# Altium PCB UmTRXv2.PcbDoc (part 22 of 25)
Units mm, origin at the board's own origin, x right, y up, seen from the top; angles counter-clockwise.
Board outline 159.5 x 99.5 mm, 6 copper layers (Top Layer, GND, MidLayer1, Mid-Layer 2, InternalPlane2, Bottom Layer), stack 1.526 mm thick; 708 components, 578 nets, 2802 pads, 1408 vias.
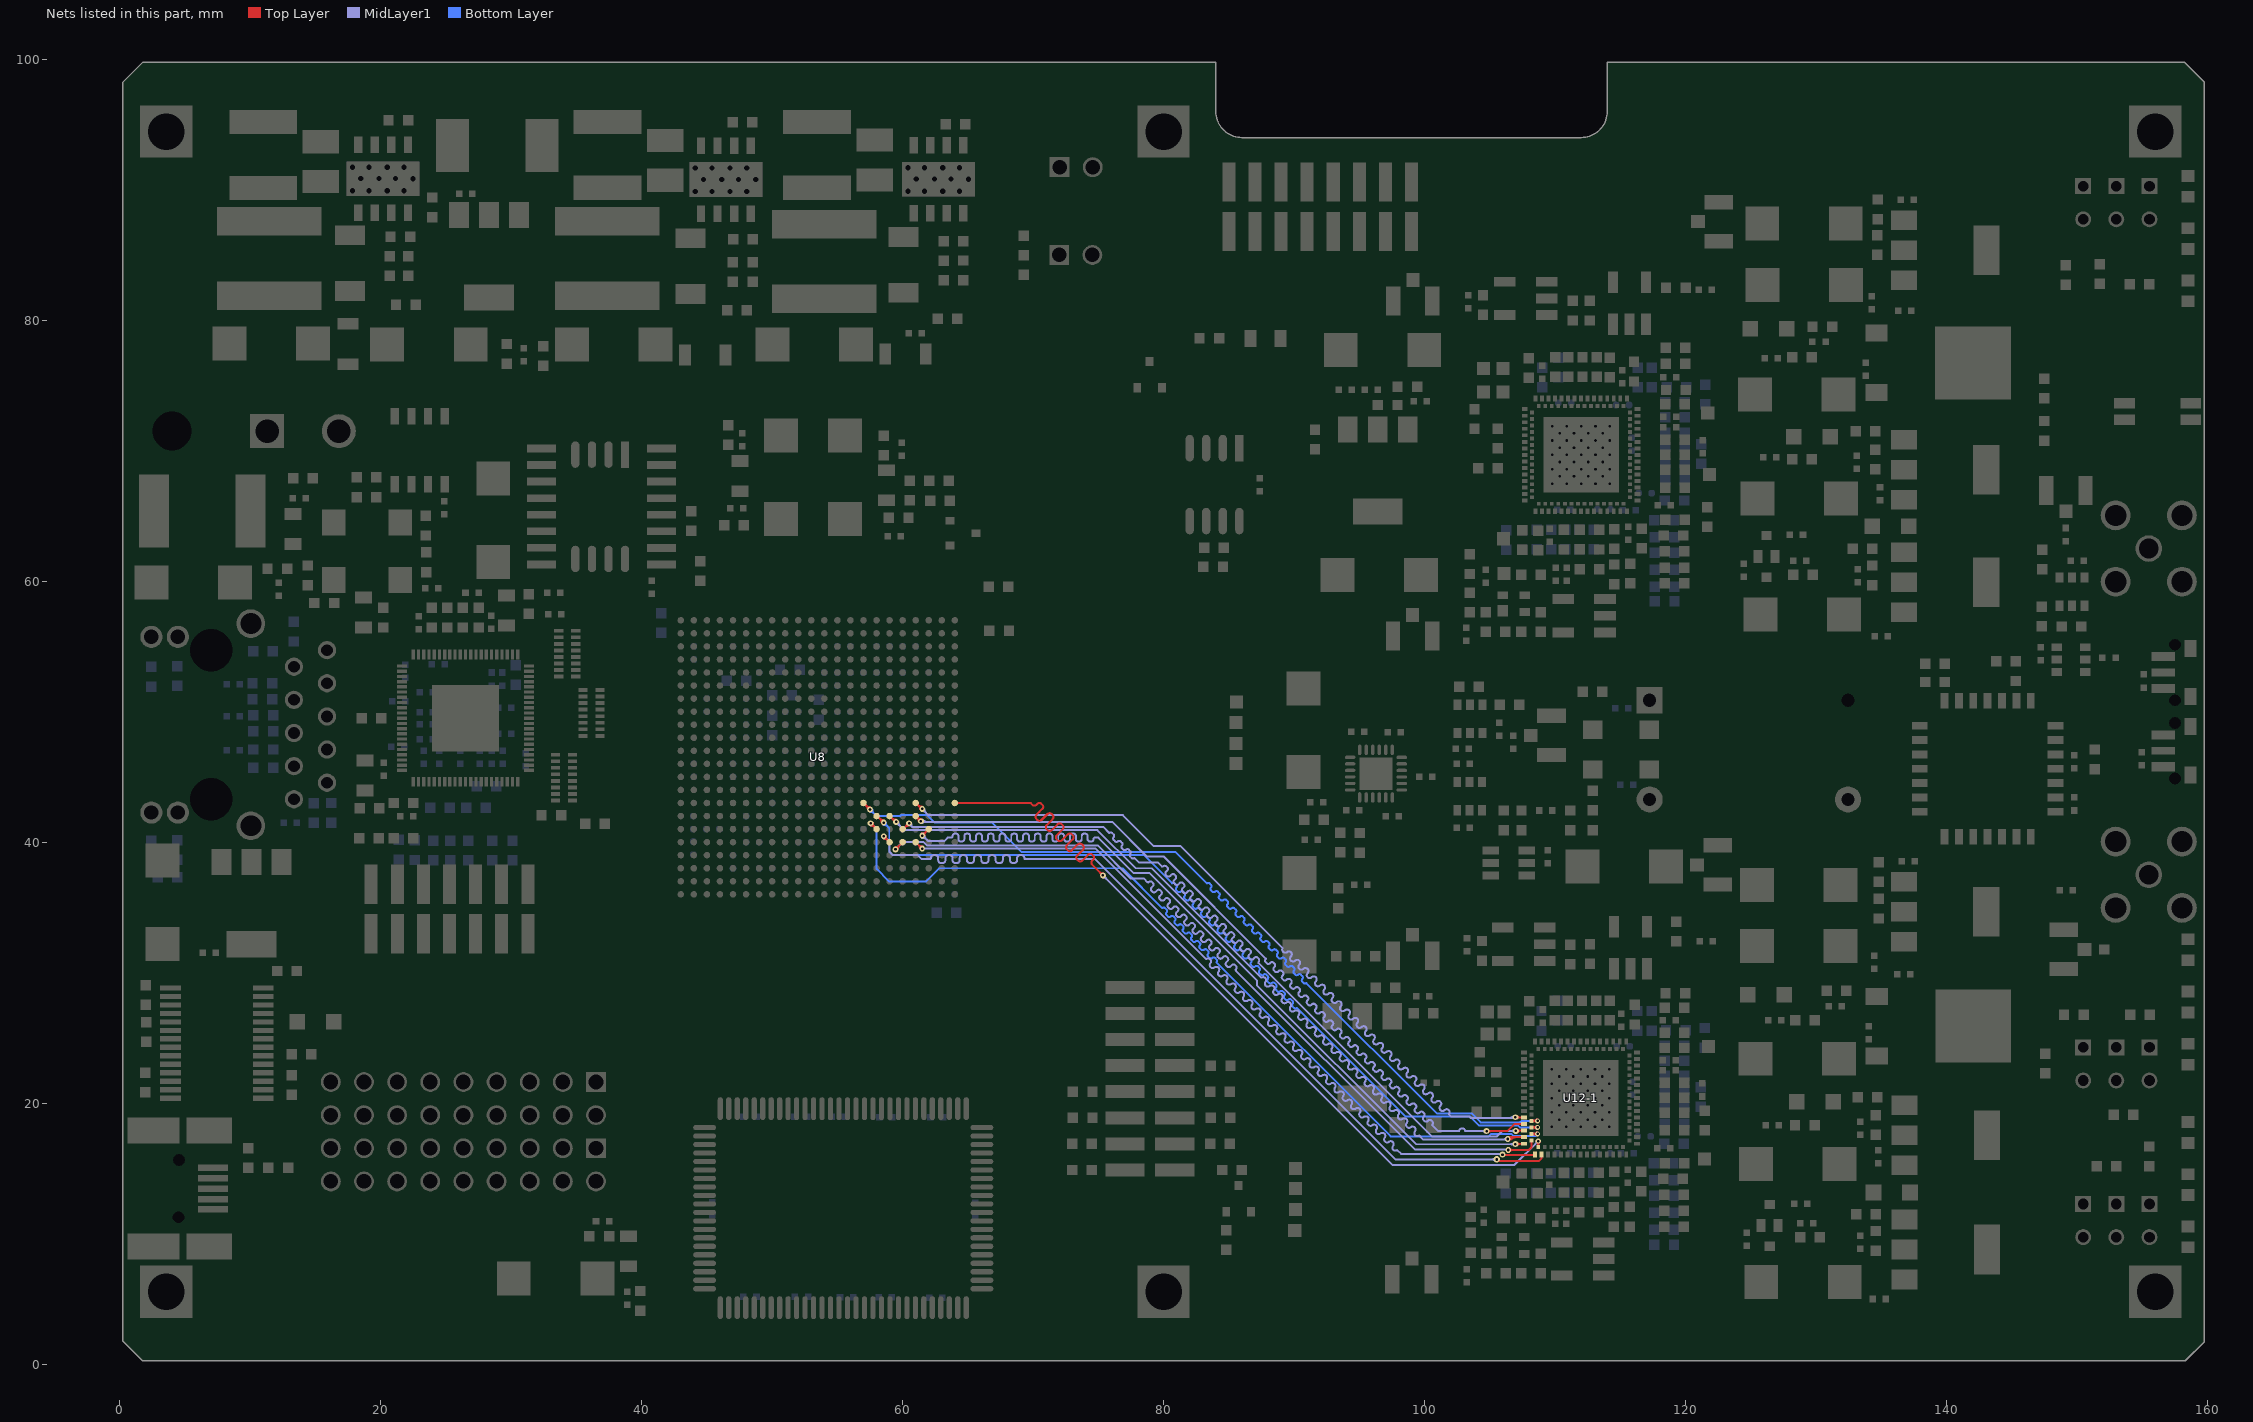
[diagram p26: the nets of this part, all layers, seen from the top]

## Via types
v1: diameter 0.5, hole 0.2, Top Layer to Bottom Layer, tented both sides, 441 vias
v2: diameter 0.45, hole 0.2, Top Layer to Bottom Layer, tented both sides, 429 vias
v3: diameter 0.7, hole 0.3, Top Layer to Bottom Layer, tented both sides, 258 vias
v4: diameter 0.4, hole 0.2, Top Layer to Bottom Layer, tented both sides, 197 vias
v5: diameter 0.8, hole 0.3, Top Layer to Bottom Layer, tented both sides, 61 vias
v6: diameter 0.6, hole 0.25, Top Layer to Bottom Layer, tented both sides, 16 vias
v7: diameter 0.6, hole 0.3, Top Layer to Bottom Layer, tented both sides, 4 vias
v8: diameter 1, hole 0.5, Top Layer to Bottom Layer, tented both sides, 2 vias

## Nets (pads, with @x,y where several pads share a name; then routed paths per layer and width w, separated by ;. In a path a pad name is that pad's centre, name@x,y a point inside that pad or via, vN(x,y) a via of type N, cw(c..) or ccw(c..) an arc to the next point about the centre after c; other vN are vias at no path point) (continued)
TX1D0: U8.H4 U12-1.21 | length 76
  Top Layer w0.15: U8.H4@61,43 U8.H4@61.05,43 ; 61.237,42.763 cw(c61.023,42.55) v2@61.325,42.55 ; 61.281,42.759 cw(c61.2,42.454) v2(61.5,42.55) ; v2@61.487,42.725 cw(c61.456,43.156) 61.15,42.85 v2@61.5,42.5 ; v2(106.961,18.92) 106.961,18.908 106.961,18.858 106.991,18.888 U12-1.21@107.632,18.888 ; v2(61.5,42.55) cw(c61.547,42.834) 61.269,42.759 ccw(c61.547,42.834) v2(61.5,42.55) ; v2@107.067,18.814 cw(c107.246,18.636) 107.246,18.888 ; v2@107.067,18.814 cw(c107.246,18.636) 107.246,18.888 ; v2@107.067,18.814 cw(c107.246,18.636) 107.246,18.888 ; v2@107.067,19.026 ccw(c107.401,19.36) 107.401,18.888 ; v2@107.067,19.026 ccw(c107.401,19.36) 107.401,18.888 ; v2@107.067,19.026 ccw(c107.401,19.36) 107.401,18.888 ; U8.H4@61.159,42.841 ccw(c61.5,43.183) 61.5,42.7 cw(c61.5,43.183) U8.H4@61.159,42.841 ; 61.279,42.721 cw(c61.109,42.55) 61.35,42.55 ccw(c61.109,42.55) 61.279,42.721
  MidLayer1 w0.15: v2@61.4,42.65 v2(61.5,42.55) ; v2@61.5,42.375 cw(c61.5,41.953) 61.799,42.251 cw(c62.097,42.55) v2@61.675,42.55 ; v2(106.961,18.92) 106.961,18.858 103.527,18.858 103.427,18.958 102.042,18.958 101.85,19.15 ccw(c101.691,19.309) 101.532,19.468 cw(c101.373,19.627) 101.214,19.786 ccw(c101.055,19.945) 100.895,20.105 cw(c100.736,20.264) 100.577,20.423 ccw(c100.418,20.582) 100.259,20.741 cw(c100.1,20.9) 99.941,21.059 ccw(c99.782,21.218) 99.623,21.377 cw(c99.464,21.536) 99.304,21.696 ccw(c99.145,21.855) 98.986,22.014 cw(c98.827,22.173) 98.668,22.332 ccw(c98.509,22.491) 98.35,22.65 cw(c98.191,22.809) 98.032,22.968 ccw(c97.873,23.127) 97.713,23.287 cw(c97.554,23.446) 97.395,23.605 ccw(c97.236,23.764) 97.077,23.923 cw(c96.918,24.082) 96.759,24.241 ccw(c96.6,24.4) 96.441,24.559 cw(c96.282,24.718) 96.122,24.878 ccw(c95.963,25.037) 95.804,25.196 cw(c95.645,25.355) 95.486,25.514 ccw(c95.327,25.673) 95.168,25.832 cw(c95.009,25.991) 94.85,26.15 ccw(c94.691,26.309) 94.531,26.469 cw(c94.372,26.628) 94.213,26.787 ccw(c94.054,26.946) 93.895,27.105 cw(c93.736,27.264) 93.577,27.423 ccw(c93.418,27.582) 93.259,27.741 cw(c93.1,27.9) 92.94,28.06 ccw(c92.781,28.219) 92.622,28.378 cw(c92.463,28.537) 92.304,28.696 ccw(c92.145,28.855) 91.986,29.014 cw(c91.827,29.173) 91.668,29.332 ccw(c91.509,29.491) 91.349,29.651 cw(c91.19,29.81) 91.031,29.969 ccw(c90.872,30.128) 90.713,30.287 cw(c90.554,30.446) 90.395,30.605 ccw(c90.236,30.764) 90.077,30.923 cw(c89.918,31.082) 89.758,31.242 ccw(c89.599,31.401) 89.44,31.56 cw(c89.317,31.754) 89.122,31.878 81.3,39.7 79.25,39.7 76.875,42.075 62.676,42.075 61.975,42.075 v2(61.5,42.55) ; v2(61.5,42.55) ccw(c61.83,42.641) 61.741,42.31 cw(c61.83,42.641) v2(61.5,42.55) ; v2(61.5,42.55) cw(c61.409,42.22) 61.74,42.309 ccw(c61.409,42.22) v2(61.5,42.55) ; 61.756,42.294 cw(c62.012,42.55) 61.65,42.55 ccw(c62.012,42.55) 61.756,42.294 ; 61.756,42.294 ccw(c61.5,42.038) 61.5,42.4 cw(c61.5,42.038) 61.756,42.294 ; 106.449,18.858 ccw(c106.449,19.432) v2@106.855,19.026 ; 106.449,18.858 ccw(c106.449,19.432) v2@106.855,19.026 ; 106.449,18.858 ccw(c106.449,19.432) v2@106.855,19.026
TX1D1: U8.H8 U12-1.22 | length 76
  Top Layer w0.15: U8.H8@57,43 v2(57.5,42.5) ; 57.299,42.689 ccw(c57.553,42.757) v2(57.5,42.5) ; 57.311,42.701 cw(c57.243,42.447) v2(57.5,42.5) ; v2@57.325,42.5 ccw(c56.903,42.5) 57.201,42.799 ccw(c57.5,43.098) v2@57.5,42.675 ; 57.244,42.756 cw(c56.988,42.5) 57.35,42.5 ccw(c56.988,42.5) 57.244,42.756 ; 57.244,42.756 ccw(c57.5,43.012) 57.5,42.65 cw(c57.5,43.012) 57.244,42.756 ; v2(57.5,42.5) ccw(c57.17,42.409) 57.259,42.74 cw(c57.17,42.409) v2(57.5,42.5) ; v2(57.5,42.5) cw(c57.591,42.83) 57.26,42.741 ccw(c57.591,42.83) v2(57.5,42.5)
  Top Layer w0.2: U12-1.22@108.207,18.638 v4@108.632,18.638 ; 108.416,18.638 cw(c108.416,18.397) v4@108.586,18.567 ; 108.416,18.638 ccw(c108.416,18.879) v4@108.586,18.709 ; 108.416,18.638 ccw(c108.416,18.879) v4@108.586,18.709 ; 108.416,18.638 cw(c108.416,18.397) v4@108.586,18.567 ; 108.416,18.638 ccw(c108.416,18.879) v4@108.586,18.709 ; 108.416,18.638 cw(c108.416,18.397) v4@108.586,18.567
  Bottom Layer w0.15: v2@57.5,42.325 cw(c57.5,41.903) 57.799,42.201 cw(c58.097,42.5) v2@57.675,42.5 ; v4(108.657,18.638) 107.428,18.638 107.31,18.52 104.298,18.52 103.596,19.222 103.544,19.222 103.53,19.208 100.942,19.208 90.946,29.204 cw(c90.84,29.31) 90.734,29.204 90.628,29.31 cw(c90.734,29.416) 90.628,29.522 ccw(c90.522,29.628) 90.628,29.734 90.522,29.841 ccw(c90.416,29.734) 90.309,29.841 cw(c90.203,29.947) 90.097,29.841 89.991,29.947 cw(c90.097,30.053) 89.991,30.159 ccw(c89.885,30.265) 89.991,30.371 89.885,30.477 ccw(c89.779,30.371) 89.673,30.477 cw(c89.567,30.583) 89.461,30.477 89.355,30.583 cw(c89.461,30.689) 89.355,30.795 ccw(c89.249,30.901) 89.355,31.007 89.249,31.113 ccw(c89.143,31.007) 89.037,31.113 cw(c88.931,31.219) 88.825,31.113 88.718,31.219 cw(c88.825,31.325) 88.718,31.432 ccw(c88.612,31.538) 88.718,31.644 88.612,31.75 ccw(c88.506,31.644) 88.4,31.75 cw(c88.294,31.856) 88.188,31.75 88.082,31.856 cw(c88.188,31.962) 88.082,32.068 ccw(c87.976,32.174) 88.082,32.28 87.976,32.386 ccw(c87.87,32.28) 87.764,32.386 cw(c87.658,32.492) 87.552,32.386 87.446,32.492 cw(c87.552,32.598) 87.446,32.704 ccw(c87.34,32.81) 87.446,32.916 87.34,33.023 ccw(c87.234,32.916) 87.127,33.023 cw(c87.021,33.129) 86.915,33.023 86.809,33.129 cw(c86.915,33.235) 86.809,33.341 ccw(c86.703,33.447) 86.809,33.553 86.703,33.659 ccw(c86.597,33.553) 86.491,33.659 cw(c86.385,33.765) 86.279,33.659 86.173,33.765 cw(c86.279,33.871) 86.173,33.977 ccw(c86.067,34.083) 86.173,34.189 86.067,34.295 ccw(c85.961,34.189) 85.855,34.295 cw(c85.749,34.401) 85.643,34.295 85.536,34.401 cw(c85.643,34.507) 85.536,34.614 ccw(c85.43,34.72) 85.536,34.826 85.43,34.932 ccw(c85.324,34.826) 85.218,34.932 cw(c85.112,35.038) 85.006,34.932 84.9,35.038 cw(c85.006,35.144) 84.9,35.25 ccw(c84.794,35.356) 84.9,35.462 84.794,35.568 ccw(c84.688,35.462) 84.582,35.568 cw(c84.476,35.674) 84.37,35.568 84.264,35.674 cw(c84.37,35.78) 84.264,35.886 ccw(c84.158,35.992) 84.264,36.098 84.158,36.205 ccw(c84.052,36.098) 83.945,36.205 cw(c83.839,36.311) 83.733,36.205 83.627,36.311 cw(c83.733,36.417) 83.627,36.523 ccw(c83.521,36.629) 83.627,36.735 83.521,36.841 ccw(c83.415,36.735) 83.309,36.841 80.9,39.25 69.1,39.25 66.85,41.5 62.45,41.5 61.875,42.075 59.875,42.075 59.8,42 58,42 v2(57.5,42.5) ; v2(57.5,42.5) ccw(c57.83,42.591) 57.741,42.26 cw(c57.83,42.591) v2(57.5,42.5) ; v2(57.5,42.5) cw(c57.409,42.17) 57.74,42.259 ccw(c57.409,42.17) v2(57.5,42.5) ; 57.756,42.244 cw(c58.012,42.5) 57.65,42.5 ccw(c58.012,42.5) 57.756,42.244 ; 57.756,42.244 ccw(c57.5,41.988) 57.5,42.35 cw(c57.5,41.988) 57.756,42.244 ; 108.355,18.638 cw(c108.355,18.336) v4@108.569,18.55 ; 108.355,18.638 ccw(c108.355,18.94) v4@108.569,18.726 ; 108.355,18.638 ccw(c108.355,18.94) v4@108.569,18.726 ; 108.355,18.638 cw(c108.355,18.336) v4@108.569,18.55 ; 108.355,18.638 ccw(c108.355,18.94) v4@108.569,18.726 ; 108.355,18.638 cw(c108.355,18.336) v4@108.569,18.55
TX1D2: U8.G4 U12-1.23 | length 76.1
  Top Layer w0.15: U8.G4@61,42 v2(61.4,41.6) ; 61.199,41.789 ccw(c61.453,41.857) v2(61.4,41.6) ; 61.211,41.801 cw(c61.143,41.547) v2(61.4,41.6) ; v2@61.225,41.6 ccw(c60.802,41.6) 61.101,41.899 ccw(c61.4,42.197) v2@61.4,41.775 ; v2(104.75,17.85) 106.35,17.85 106.888,18.388 U12-1.23@107.632,18.388 ; U8.G4@61.144,41.856 cw(c60.888,41.6) 61.25,41.6 ccw(c60.888,41.6) U8.G4@61.144,41.856 ; U8.G4@61.144,41.856 ccw(c61.4,42.112) 61.4,41.75 cw(c61.4,42.112) U8.G4@61.144,41.856 ; v2(61.4,41.6) ccw(c61.07,41.509) 61.159,41.84 cw(c61.07,41.509) v2(61.4,41.6) ; v2(61.4,41.6) cw(c61.491,41.93) 61.16,41.841 ccw(c61.491,41.93) v2(61.4,41.6) ; v2(61.4,41.6) 61.45,41.65 61.45,41.55 v2(61.4,41.6) ; v2@104.856,17.744 cw(c105.112,17.488) 105.112,17.85 ; v2@104.856,17.744 cw(c105.112,17.488) 105.112,17.85 ; v2@104.856,17.744 cw(c105.112,17.488) 105.112,17.85 ; v2@104.856,17.956 ccw(c105.112,18.212) 105.112,17.85 ; v2@104.856,17.956 ccw(c105.112,18.212) 105.112,17.85 ; v2@104.856,17.956 ccw(c105.112,18.212) 105.112,17.85
  MidLayer1 w0.15: v2@61.4,41.55 76.05,41.55 78.7,38.9 80,38.9 87.831,31.069 cw(c87.817,31.055) 87.831,31.041 ccw(c87.958,30.914) 87.831,30.786 87.894,30.723 ccw(c88.022,30.85) 88.149,30.723 88.163,30.737 88.177,30.751 cw(c88.304,30.624) 88.432,30.751 88.495,30.687 cw(c88.368,30.56) 88.495,30.433 88.481,30.419 88.467,30.405 ccw(c88.594,30.277) 88.467,30.15 88.531,30.086 ccw(c88.658,30.214) 88.785,30.086 88.799,30.101 88.814,30.115 cw(c88.941,29.987) 89.068,30.115 89.132,30.051 cw(c89.004,29.924) 89.132,29.797 89.118,29.782 89.103,29.768 ccw(c89.231,29.641) 89.103,29.514 89.167,29.45 ccw(c89.294,29.577) 89.422,29.45 89.436,29.464 89.45,29.478 cw(c89.577,29.351) 89.704,29.478 89.768,29.415 cw(c89.641,29.287) 89.768,29.16 89.74,29.132 ccw(c89.867,29.005) 89.74,28.877 89.803,28.814 ccw(c89.931,28.941) 90.058,28.814 90.072,28.828 90.086,28.842 cw(c90.214,28.715) 90.341,28.842 90.405,28.778 cw(c90.277,28.651) 90.405,28.524 90.39,28.51 90.376,28.495 ccw(c90.504,28.368) 90.376,28.241 90.44,28.177 ccw(c90.567,28.305) 90.694,28.177 90.709,28.191 90.723,28.206 cw(c90.85,28.078) 90.977,28.206 91.041,28.142 cw(c90.914,28.015) 91.041,27.887 91.027,27.873 91.013,27.859 ccw(c91.14,27.732) 91.013,27.605 91.076,27.541 ccw(c91.204,27.668) 91.331,27.541 91.345,27.555 91.359,27.569 cw(c91.486,27.442) 91.614,27.569 91.677,27.506 cw(c91.55,27.378) 91.677,27.251 91.663,27.237 91.649,27.223 ccw(c91.776,27.095) 91.649,26.968 91.713,26.904 ccw(c91.84,27.032) 91.967,26.904 91.996,26.933 cw(c92.123,26.805) 92.25,26.933 92.314,26.869 cw(c92.186,26.742) 92.314,26.615 92.3,26.6 92.285,26.586 ccw(c92.413,26.459) 92.285,26.332 92.349,26.268 ccw(c92.476,26.395) 92.604,26.268 92.618,26.282 92.632,26.296 cw(c92.759,26.169) 92.886,26.296 92.95,26.233 cw(c92.823,26.105) 92.95,25.978 92.936,25.964 92.922,25.95 ccw(c93.049,25.823) 92.922,25.695 92.985,25.632 ccw(c93.113,25.759) 93.24,25.632 93.254,25.646 93.268,25.66 cw(c93.396,25.533) 93.523,25.66 93.587,25.596 cw(c93.459,25.469) 93.587,25.342 93.572,25.328 93.558,25.313 ccw(c93.685,25.186) 93.558,25.059 93.622,24.995 ccw(c93.749,25.123) 93.876,24.995 93.891,25.009 93.905,25.024 cw(c94.032,24.896) 94.159,25.024 94.223,24.96 cw(c94.096,24.833) 94.223,24.705 94.209,24.691 94.195,24.677 ccw(c94.322,24.55) 94.195,24.423 94.258,24.359 ccw(c94.386,24.486) 94.513,24.359 94.527,24.373 94.541,24.387 cw(c94.668,24.26) 94.796,24.387 94.859,24.324 cw(c94.732,24.196) 94.859,24.069 94.845,24.055 94.831,24.041 ccw(c94.958,23.913) 94.831,23.786 94.895,23.723 ccw(c95.022,23.85) 95.149,23.723 95.163,23.737 95.177,23.751 cw(c95.305,23.624) 95.432,23.751 95.496,23.687 cw(c95.368,23.56) 95.496,23.433 95.482,23.418 95.467,23.404 ccw(c95.595,23.277) 95.467,23.15 95.531,23.086 ccw(c95.658,23.213) 95.786,23.086 95.8,23.1 95.814,23.114 cw(c95.941,22.987) 96.068,23.114 96.132,23.051 cw(c96.005,22.923) 96.132,22.796 96.118,22.782 96.104,22.768 ccw(c96.231,22.641) 96.104,22.513 96.167,22.45 ccw(c96.295,22.577) 96.422,22.45 96.436,22.464 96.45,22.478 cw(c96.578,22.351) 96.705,22.478 96.768,22.414 cw(c96.641,22.287) 96.768,22.16 96.754,22.146 96.74,22.132 ccw(c96.867,22.004) 96.74,21.877 96.804,21.813 ccw(c96.931,21.941) 97.058,21.813 97.073,21.827 97.087,21.842 cw(c97.214,21.714) 97.341,21.842 97.405,21.778 cw(c97.278,21.651) 97.405,21.523 97.391,21.509 97.377,21.495 ccw(c97.504,21.368) 97.377,21.241 97.44,21.177 ccw(c97.568,21.304) 97.695,21.177 97.709,21.191 97.723,21.205 cw(c97.85,21.078) 97.978,21.205 98.041,21.142 cw(c97.914,21.014) 98.041,20.887 98.027,20.873 98.013,20.859 ccw(c98.14,20.731) 98.013,20.604 98.077,20.541 ccw(c98.204,20.668) 98.331,20.541 98.345,20.555 98.359,20.569 cw(c98.487,20.442) 98.614,20.569 98.678,20.505 cw(c98.55,20.378) 98.678,20.251 98.664,20.236 98.649,20.222 ccw(c98.777,20.095) 98.649,19.968 98.713,19.904 ccw(c98.84,20.031) 98.968,19.904 98.982,19.918 98.996,19.932 cw(c99.123,19.805) 99.25,19.932 99.314,19.869 cw(c99.187,19.742) 99.314,19.614 99.3,19.6 99.286,19.586 ccw(c99.413,19.459) 99.286,19.331 99.349,19.268 ccw(c99.477,19.395) 99.604,19.268 99.618,19.282 99.632,19.296 cw(c99.76,19.169) 99.887,19.296 99.95,19.232 cw(c99.823,19.105) 99.95,18.978 99.936,18.964 99.922,18.95 ccw(c100.049,18.822) 99.922,18.695 99.986,18.631 ccw(c100.113,18.759) 100.24,18.631 100.255,18.645 100.269,18.66 cw(c100.396,18.532) 100.523,18.66 100.587,18.596 cw(c100.46,18.469) 100.587,18.341 ccw(c100.601,18.327) 100.587,18.313 101.05,17.85 102.63,17.85 ccw(c102.63,17.87) 102.65,17.87 cw(c102.83,17.87) 102.83,18.05 102.92,18.05 cw(c102.92,17.87) 103.1,17.87 ccw(c103.12,17.87) 103.12,17.85 v2(104.75,17.85) ; v2@61.524,41.476 cw(c61.702,41.298) 61.702,41.55 ; v2@61.524,41.724 ccw(c61.943,42.143) 61.943,41.55 ; 104.388,17.85 cw(c104.388,17.488) v2@104.644,17.744 ; 104.388,17.85 ccw(c104.388,18.212) v2@104.644,17.956 ; 104.388,17.85 ccw(c104.388,18.212) v2@104.644,17.956 ; 104.388,17.85 cw(c104.388,17.488) v2@104.644,17.744 ; 104.388,17.85 ccw(c104.388,18.212) v2@104.644,17.956 ; 104.388,17.85 cw(c104.388,17.488) v2@104.644,17.744 ; v2@61.506,41.494 cw(c61.642,41.358) 61.642,41.55 ccw(c61.642,41.358) v2@61.506,41.494 ; v2@61.506,41.706 ccw(c61.883,42.083) 61.883,41.55 cw(c61.883,42.083) v2@61.506,41.706
TX1D3: U8.G7 U12-1.24 | length 76.7
  Top Layer w0.15: U8.G7@58,42 58.05,42 v2(58.55,41.5) ; 58.349,41.689 ccw(c58.603,41.757) v2(58.55,41.5) ; 58.361,41.701 cw(c58.293,41.447) v2(58.55,41.5) ; v2@58.375,41.5 ccw(c57.953,41.5) 58.251,41.799 ccw(c58.55,42.097) v2@58.55,41.675 ; 58.294,41.756 cw(c58.038,41.5) 58.4,41.5 ccw(c58.038,41.5) 58.294,41.756 ; 58.294,41.756 ccw(c58.55,42.012) 58.55,41.65 cw(c58.55,42.012) 58.294,41.756 ; v2(58.55,41.5) ccw(c58.22,41.409) 58.309,41.74 cw(c58.22,41.409) v2(58.55,41.5) ; v2(58.55,41.5) cw(c58.641,41.83) 58.31,41.741 ccw(c58.641,41.83) v2(58.55,41.5)
  Top Layer w0.2: U12-1.24@108.207,18.138 v4@108.632,18.138 ; 108.416,18.138 cw(c108.416,17.897) v4@108.586,18.067 ; 108.416,18.138 ccw(c108.416,18.379) v4@108.586,18.209 ; 108.416,18.138 ccw(c108.416,18.379) v4@108.586,18.209 ; 108.416,18.138 cw(c108.416,17.897) v4@108.586,18.067 ; 108.416,18.138 ccw(c108.416,18.379) v4@108.586,18.209 ; 108.416,18.138 cw(c108.416,17.897) v4@108.586,18.067
  Bottom Layer w0.15: v2@58.55,41.325 cw(c58.55,40.903) 58.849,41.201 cw(c59.147,41.5) v2@58.725,41.5 ; v4(108.657,18.138) 107.297,18.138 107.165,18.27 104.194,18.27 103.506,18.958 98.542,18.958 90.205,27.295 cw(c90.099,27.401) 89.993,27.295 89.887,27.401 cw(c89.993,27.507) 89.887,27.613 ccw(c89.781,27.719) 89.887,27.825 89.781,27.931 ccw(c89.675,27.825) 89.569,27.931 cw(c89.463,28.037) 89.356,27.931 89.25,28.037 cw(c89.356,28.144) 89.25,28.25 ccw(c89.144,28.356) 89.25,28.462 89.144,28.568 ccw(c89.038,28.462) 88.932,28.568 cw(c88.826,28.674) 88.72,28.568 88.614,28.674 cw(c88.72,28.78) 88.614,28.886 ccw(c88.508,28.992) 88.614,29.098 88.508,29.204 ccw(c88.402,29.098) 88.296,29.204 cw(c88.19,29.31) 88.084,29.204 87.978,29.31 cw(c88.084,29.416) 87.978,29.522 ccw(c87.872,29.628) 87.978,29.734 87.872,29.841 ccw(c87.766,29.734) 87.659,29.841 cw(c87.553,29.947) 87.447,29.841 87.341,29.947 cw(c87.447,30.053) 87.341,30.159 ccw(c87.235,30.265) 87.341,30.371 87.235,30.477 ccw(c87.129,30.371) 87.023,30.477 cw(c86.917,30.583) 86.811,30.477 86.705,30.583 cw(c86.811,30.689) 86.705,30.795 ccw(c86.599,30.901) 86.705,31.007 86.599,31.113 ccw(c86.493,31.007) 86.387,31.113 cw(c86.281,31.219) 86.175,31.113 86.068,31.219 cw(c86.175,31.325) 86.068,31.432 ccw(c85.962,31.538) 86.068,31.644 85.962,31.75 ccw(c85.856,31.644) 85.75,31.75 cw(c85.644,31.856) 85.538,31.75 85.432,31.856 cw(c85.538,31.962) 85.432,32.068 ccw(c85.326,32.174) 85.432,32.28 85.326,32.386 ccw(c85.22,32.28) 85.114,32.386 cw(c85.008,32.492) 84.902,32.386 84.796,32.492 cw(c84.902,32.598) 84.796,32.704 ccw(c84.69,32.81) 84.796,32.916 84.69,33.023 ccw(c84.584,32.916) 84.477,33.023 cw(c84.371,33.129) 84.265,33.023 84.159,33.129 cw(c84.265,33.235) 84.159,33.341 ccw(c84.053,33.447) 84.159,33.553 84.053,33.659 ccw(c83.947,33.553) 83.841,33.659 cw(c83.735,33.765) 83.629,33.659 83.523,33.765 cw(c83.629,33.871) 83.523,33.977 ccw(c83.417,34.083) 83.523,34.189 83.417,34.295 ccw(c83.311,34.189) 83.205,34.295 cw(c83.099,34.401) 82.993,34.295 82.886,34.401 cw(c82.993,34.507) 82.886,34.614 ccw(c82.78,34.72) 82.886,34.826 82.78,34.932 ccw(c82.674,34.826) 82.568,34.932 cw(c82.462,35.038) 82.356,34.932 82.25,35.038 cw(c82.356,35.144) 82.25,35.25 ccw(c82.144,35.356) 82.25,35.462 82.144,35.568 ccw(c82.038,35.462) 81.932,35.568 cw(c81.826,35.674) 81.72,35.568 81.614,35.674 cw(c81.72,35.78) 81.614,35.886 ccw(c81.508,35.992) 81.614,36.098 81.508,36.205 ccw(c81.402,36.098) 81.295,36.205 cw(c81.189,36.311) 81.083,36.205 80.977,36.311 cw(c81.083,36.417) 80.977,36.523 ccw(c80.871,36.629) 80.977,36.735 80.871,36.841 ccw(c80.765,36.735) 80.659,36.841 78.5,39 59.25,39 58.975,39.275 58.975,41.075 v2(58.55,41.5) ; v2(58.55,41.5) ccw(c58.88,41.591) 58.791,41.26 cw(c58.88,41.591) v2(58.55,41.5) ; v2(58.55,41.5) cw(c58.459,41.17) 58.79,41.259 ccw(c58.459,41.17) v2(58.55,41.5) ; 58.806,41.244 cw(c59.062,41.5) 58.7,41.5 ccw(c59.062,41.5) 58.806,41.244 ; 58.806,41.244 ccw(c58.55,40.988) 58.55,41.35 cw(c58.55,40.988) 58.806,41.244 ; 108.355,18.138 cw(c108.355,17.836) v4@108.569,18.05 ; 108.355,18.138 ccw(c108.355,18.44) v4@108.569,18.226 ; 108.355,18.138 ccw(c108.355,18.44) v4@108.569,18.226 ; 108.355,18.138 cw(c108.355,17.836) v4@108.569,18.05 ; 108.355,18.138 ccw(c108.355,18.44) v4@108.569,18.226 ; 108.355,18.138 cw(c108.355,17.836) v4@108.569,18.05
TX1D4: U8.F5 U12-1.25 | length 75.6
  Top Layer w0.15: U8.F5@60,41 60.05,41 v2(60.5,41.45) ; 60.299,41.261 cw(c60.553,41.193) v2(60.5,41.45) ; 60.311,41.249 ccw(c60.243,41.503) v2(60.5,41.45) ; v2@60.325,41.45 cw(c59.903,41.45) 60.201,41.151 cw(c60.5,40.853) v2@60.5,41.275 ; v2@60.55,41.5 v2(60.5,41.45) ; v2(106.999,17.87) 106.981,17.888 U12-1.25@107.632,17.888 ; 60.244,41.194 cw(c60.5,40.938) 60.5,41.3 ccw(c60.5,40.938) 60.244,41.194 ; 60.244,41.194 ccw(c59.988,41.45) 60.35,41.45 cw(c59.988,41.45) 60.244,41.194 ; v2(60.5,41.45) ccw(c60.591,41.12) 60.26,41.209 cw(c60.591,41.12) v2(60.5,41.45) ; v2(60.5,41.45) cw(c60.17,41.541) 60.259,41.21 ccw(c60.17,41.541) v2(60.5,41.45) ; v2@107.105,17.764 cw(c107.404,17.465) 107.404,17.888 ; v2@107.105,17.764 cw(c107.404,17.465) 107.404,17.888 ; v2@107.105,17.764 cw(c107.404,17.465) 107.404,17.888 ; v2@107.105,17.976 ccw(c107.318,18.189) 107.318,17.888 ; v2@107.105,17.976 ccw(c107.318,18.189) 107.318,17.888 ; v2@107.105,17.976 ccw(c107.318,18.189) 107.318,17.888
  MidLayer1 w0.15: v2@60.5,41.275 cw(c60.5,40.973) 60.713,41.187 ; v2@60.55,41.5 60.55,41.35 60.725,41.175 ; v2@60.668,41.4 ccw(c60.886,41.336) 60.725,41.175 ; 86.641,31.458 86.542,31.359 ccw(c86.669,31.232) 86.542,31.105 86.605,31.041 ccw(c86.733,31.168) 86.86,31.041 86.909,31.091 86.959,31.14 cw(c87.086,31.013) 87.213,31.14 87.277,31.076 cw(c87.15,30.949) 87.277,30.822 ccw(c87.327,30.772) 87.277,30.723 100.55,17.45 105.55,17.45 105.97,17.87 v2(106.999,17.87) ; 86.641,31.458 ccw(c86.513,31.586) 86.641,31.713 86.577,31.776 ccw(c86.45,31.649) 86.323,31.776 86.273,31.727 86.224,31.677 cw(c86.096,31.805) 85.969,31.677 85.905,31.741 cw(c86.033,31.868) 85.905,31.996 86.004,32.095 ccw(c85.877,32.222) 86.004,32.349 85.941,32.413 ccw(c85.813,32.286) 85.686,32.413 85.587,32.314 cw(c85.46,32.441) 85.333,32.314 85.269,32.377 cw(c85.396,32.505) 85.269,32.632 85.368,32.731 ccw(c85.241,32.858) 85.368,32.986 85.304,33.049 ccw(c85.177,32.922) 85.05,33.049 84.951,32.95 cw(c84.823,33.078) 84.696,32.95 84.633,33.014 cw(c84.76,33.141) 84.633,33.268 84.682,33.318 84.732,33.367 ccw(c84.604,33.495) 84.732,33.622 84.668,33.686 ccw(c84.541,33.558) 84.413,33.686 84.314,33.587 cw(c84.187,33.714) 84.06,33.587 83.996,33.65 cw(c84.123,33.778) 83.996,33.905 84.046,33.954 84.095,34.004 ccw(c83.968,34.131) 84.095,34.258 84.032,34.322 ccw(c83.904,34.195) 83.777,34.322 83.678,34.223 cw(c83.551,34.35) 83.423,34.223 83.36,34.287 cw(c83.487,34.414) 83.36,34.541 83.459,34.64 ccw(c83.331,34.768) 83.459,34.895 83.395,34.958 ccw(c83.268,34.831) 83.141,34.958 83.042,34.859 cw(c82.914,34.987) 82.787,34.859 82.723,34.923 cw(c82.851,35.05) 82.723,35.178 82.822,35.277 ccw(c82.695,35.404) 82.822,35.531 82.759,35.595 ccw(c82.631,35.468) 82.504,35.595 82.455,35.545 82.405,35.496 cw(c82.278,35.623) 82.151,35.496 82.087,35.559 cw(c82.214,35.687) 82.087,35.814 82.186,35.913 ccw(c82.059,36.04) 82.186,36.168 82.122,36.231 ccw(c81.995,36.104) 81.868,36.231 81.818,36.182 81.769,36.132 cw(c81.642,36.26) 81.514,36.132 81.451,36.196 cw(c81.578,36.323) 81.451,36.45 81.55,36.549 ccw(c81.422,36.677) 81.55,36.804 81.486,36.868 ccw(c81.359,36.74) 81.231,36.868 81.132,36.769 cw(c81.005,36.896) 80.878,36.769 80.814,36.832 cw(c80.941,36.96) 80.814,37.087 80.913,37.186 ccw(c80.786,37.313) 80.913,37.44 80.85,37.504 ccw(c80.722,37.377) 80.595,37.504 80.496,37.405 cw(c80.369,37.532) 80.241,37.405 80.178,37.469 cw(c80.305,37.596) 80.178,37.723 80.227,37.773 80.277,37.822 ccw(c80.15,37.949) 80.277,38.077 80.213,38.14 ccw(c80.086,38.013) 79.959,38.14 cw(c79.909,38.19) 79.86,38.14 79.55,38.45 78.1,38.45 77.762,38.788 cw(c77.655,38.895) 77.549,38.788 77.443,38.895 cw(c77.549,39.001) 77.443,39.107 ccw(c77.337,39.213) 77.443,39.319 77.337,39.425 ccw(c77.231,39.319) 77.125,39.425 cw(c77.019,39.531) 76.913,39.425 76.807,39.531 cw(c76.913,39.637) 76.807,39.743 ccw(c76.701,39.849) 76.807,39.955 76.701,40.061 ccw(c76.595,39.955) 76.489,40.061 cw(c76.383,40.167) 76.277,40.061 76.171,40.167 cw(c76.277,40.273) 76.171,40.379 ccw(c76.064,40.486) 76.171,40.592 76.064,40.698 ccw(c75.958,40.592) 75.852,40.698 75.375,41.175 62.78,41.175 62.22,41.175 60.78,41.175 60.725,41.175 ; 60.725,41.175 cw(c60.923,41.373) 60.648,41.423 ccw(c60.923,41.373) 60.725,41.175 ; 106.637,17.87 cw(c106.637,17.508) v2@106.893,17.764 ; 106.637,17.87 ccw(c106.637,18.232) v2@106.893,17.976 ; 106.637,17.87 ccw(c106.637,18.232) v2@106.893,17.976 ; 106.637,17.87 cw(c106.637,17.508) v2@106.893,17.764 ; 106.637,17.87 ccw(c106.637,18.232) v2@106.893,17.976 ; 106.637,17.87 cw(c106.637,17.508) v2@106.893,17.764 ; v2@60.5,41.3 cw(c60.5,41.059) 60.671,41.229 ccw(c60.5,41.059) v2@60.5,41.3